# KiCad board GanJing 65 rev 2 hotswap-rounded.kicad_pcb (continued)
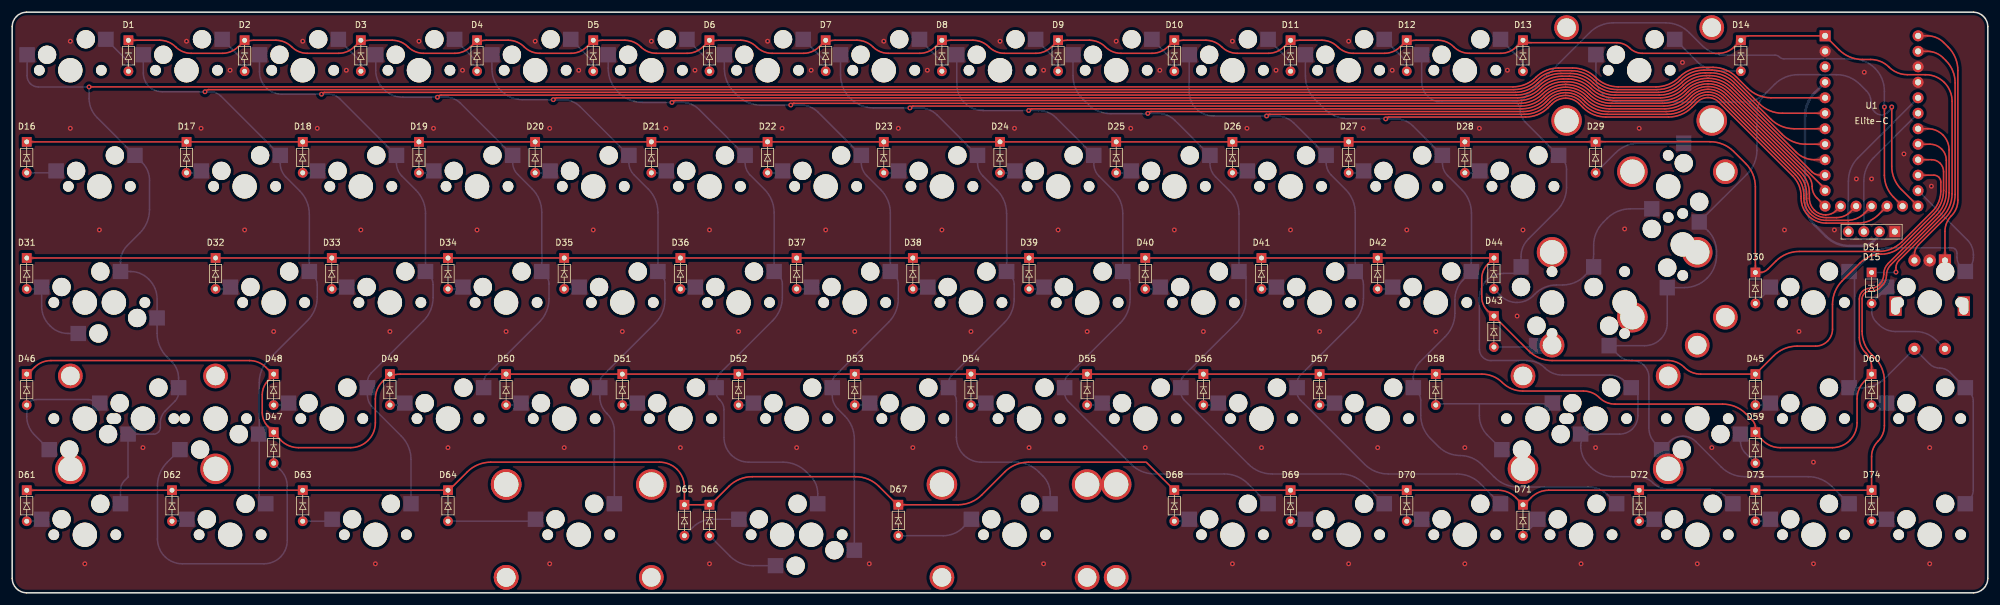
[diagram p0: board, top side]
## Copper pours and planes (outline as drawn; the poured copper is in the pictures) (continued)
Net-(D6-Pad2) on Bottom: 112.47,89.13 112.27,89.35 112.13,89.56 112.04,89.75 111.99,89.94 111.96,90.12 111.95,90.31 111.94,90.51 111.92,90.72 111.87,90.95 111.8,91.22 110.18,91.25 110.21,89.62 110.47,89.55 110.7,89.51 110.92,89.49 111.11,89.47 111.3,89.46 111.49,89.43 111.67,89.38 111.86,89.29 112.07,89.15 112.29,88.96
Net-(D7-Pad2) on Bottom: 131.52,89.13 131.32,89.35 131.18,89.56 131.09,89.75 131.04,89.94 131.01,90.12 131,90.31 130.99,90.51 130.97,90.72 130.92,90.95 130.85,91.22 129.23,91.25 129.26,89.62 129.52,89.55 129.75,89.51 129.97,89.49 130.16,89.47 130.35,89.46 130.54,89.43 130.72,89.38 130.91,89.29 131.12,89.15 131.34,88.96
Net-(D7-Pad2) on Bottom: 133.06,87.09 133.12,86.94 133.14,86.8 133.13,86.68 133.09,86.58 133.03,86.48 132.96,86.38 132.88,86.28 132.79,86.17 132.7,86.05 132.63,85.91 133.35,85.17 134.07,85.92 133.98,86.08 133.9,86.22 133.83,86.33 133.76,86.43 133.69,86.53 133.61,86.63 133.54,86.74 133.46,86.86 133.37,87.02 133.28,87.2
Net-(D8-Pad2) on Bottom: 150.57,89.13 150.37,89.35 150.23,89.56 150.14,89.75 150.09,89.94 150.06,90.12 150.05,90.31 150.04,90.51 150.02,90.72 149.97,90.95 149.9,91.22 148.28,91.25 148.31,89.62 148.57,89.55 148.8,89.51 149.02,89.49 149.21,89.47 149.4,89.46 149.59,89.43 149.77,89.38 149.96,89.29 150.17,89.15 150.39,88.96
Net-(D8-Pad2) on Bottom: 152.11,87.09 152.17,86.94 152.19,86.8 152.18,86.68 152.14,86.58 152.08,86.48 152.01,86.38 151.93,86.28 151.84,86.17 151.75,86.05 151.68,85.91 152.4,85.17 153.12,85.92 153.03,86.08 152.95,86.22 152.88,86.33 152.81,86.43 152.74,86.53 152.66,86.63 152.59,86.74 152.51,86.86 152.42,87.02 152.33,87.2
Net-(D9-Pad2) on Bottom: 169.62,89.13 169.42,89.35 169.28,89.56 169.19,89.75 169.14,89.94 169.11,90.12 169.1,90.31 169.09,90.51 169.07,90.72 169.02,90.95 168.95,91.22 167.33,91.25 167.36,89.62 167.62,89.55 167.85,89.51 168.07,89.49 168.26,89.47 168.45,89.46 168.64,89.43 168.82,89.38 169.01,89.29 169.22,89.15 169.44,88.96
Net-(D9-Pad2) on Bottom: 171.16,87.09 171.22,86.94 171.24,86.8 171.23,86.68 171.19,86.58 171.13,86.48 171.06,86.38 170.98,86.28 170.89,86.17 170.8,86.05 170.73,85.91 171.45,85.17 172.17,85.92 172.08,86.08 172,86.22 171.93,86.33 171.86,86.43 171.79,86.53 171.71,86.63 171.64,86.74 171.56,86.86 171.47,87.02 171.38,87.2
Net-(D10-Pad2) on Bottom: 190.21,87.09 190.27,86.94 190.29,86.8 190.28,86.68 190.24,86.58 190.18,86.48 190.11,86.38 190.03,86.28 189.94,86.17 189.85,86.05 189.78,85.91 190.5,85.17 191.22,85.92 191.13,86.08 191.05,86.22 190.98,86.33 190.91,86.43 190.84,86.53 190.76,86.63 190.69,86.74 190.61,86.86 190.52,87.02 190.43,87.2
Net-(D10-Pad2) on Bottom: 188.67,89.13 188.47,89.35 188.33,89.56 188.24,89.75 188.19,89.94 188.16,90.12 188.15,90.31 188.14,90.51 188.12,90.72 188.07,90.95 188,91.22 186.38,91.25 186.41,89.62 186.67,89.55 186.9,89.51 187.12,89.49 187.31,89.47 187.5,89.46 187.69,89.43 187.87,89.38 188.06,89.29 188.27,89.15 188.49,88.96
Net-(D11-Pad2) on Bottom: 209.26,87.09 209.32,86.94 209.34,86.8 209.33,86.68 209.29,86.58 209.23,86.48 209.16,86.38 209.08,86.28 208.99,86.17 208.9,86.05 208.83,85.91 209.55,85.17 210.27,85.92 210.18,86.08 210.1,86.22 210.03,86.33 209.96,86.43 209.89,86.53 209.81,86.63 209.74,86.74 209.66,86.86 209.57,87.02 209.48,87.2
Net-(D11-Pad2) on Bottom: 207.72,89.13 207.52,89.35 207.38,89.56 207.29,89.75 207.24,89.94 207.21,90.12 207.2,90.31 207.19,90.51 207.17,90.72 207.12,90.95 207.05,91.22 205.43,91.25 205.46,89.62 205.72,89.55 205.95,89.51 206.17,89.49 206.36,89.47 206.55,89.46 206.74,89.43 206.92,89.38 207.11,89.29 207.32,89.15 207.54,88.96
Net-(D12-Pad2) on Bottom: 228.31,87.09 228.37,86.94 228.39,86.8 228.38,86.68 228.34,86.58 228.28,86.48 228.21,86.38 228.13,86.28 228.04,86.17 227.95,86.05 227.88,85.91 228.6,85.17 229.32,85.92 229.23,86.08 229.15,86.22 229.08,86.33 229.01,86.43 228.94,86.53 228.86,86.63 228.79,86.74 228.71,86.86 228.62,87.02 228.53,87.2
Net-(D12-Pad2) on Bottom: 226.77,89.13 226.57,89.35 226.43,89.56 226.34,89.75 226.29,89.94 226.26,90.12 226.25,90.31 226.24,90.51 226.22,90.72 226.17,90.95 226.1,91.22 224.48,91.25 224.51,89.62 224.77,89.55 225,89.51 225.22,89.49 225.41,89.47 225.6,89.46 225.79,89.43 225.97,89.38 226.16,89.29 226.37,89.15 226.59,88.96
Net-(D13-Pad2) on Bottom: 247.36,87.09 247.42,86.94 247.44,86.8 247.43,86.68 247.39,86.58 247.33,86.48 247.26,86.38 247.18,86.28 247.09,86.17 247,86.05 246.93,85.91 247.65,85.17 248.37,85.92 248.28,86.08 248.2,86.22 248.13,86.33 248.06,86.43 247.99,86.53 247.91,86.63 247.84,86.74 247.76,86.86 247.67,87.02 247.58,87.2
Net-(D13-Pad2) on Bottom: 245.82,89.13 245.62,89.35 245.48,89.56 245.39,89.75 245.34,89.94 245.31,90.12 245.3,90.31 245.29,90.51 245.27,90.72 245.22,90.95 245.15,91.22 243.53,91.25 243.56,89.62 243.82,89.55 244.05,89.51 244.27,89.49 244.46,89.47 244.65,89.46 244.84,89.43 245.02,89.38 245.21,89.29 245.42,89.15 245.64,88.96
Net-(D14-Pad2) on Bottom: 281.78,85.44 281.97,85.43 282.12,85.4 282.25,85.36 282.36,85.31 282.45,85.24 282.55,85.17 282.64,85.09 282.75,85.01 282.87,84.93 283.02,84.85 283.77,85.57 283.02,86.29 282.87,86.21 282.75,86.12 282.64,86.04 282.55,85.96 282.45,85.89 282.36,85.82 282.25,85.77 282.12,85.73 281.97,85.7 281.78,85.69
Net-(D14-Pad2) on Bottom: 274.39,89.13 274.19,89.35 274.06,89.56 273.97,89.75 273.91,89.94 273.89,90.12 273.87,90.31 273.86,90.51 273.84,90.72 273.8,90.95 273.72,91.22 272.1,91.25 272.13,89.62 272.39,89.55 272.63,89.51 272.84,89.49 273.04,89.47 273.23,89.46 273.41,89.43 273.6,89.38 273.79,89.29 273.99,89.15 274.21,88.96
Net-(D16-Pad2) on Bottom: 4.73,68.77 5.06,68.76 5.32,68.71 5.54,68.64 5.73,68.56 5.9,68.46 6.07,68.35 6.25,68.25 6.45,68.15 6.68,68.06 6.96,67.99 7.81,69.37 6.39,70.17 6.21,69.99 6.05,69.82 5.92,69.66 5.8,69.51 5.69,69.38 5.56,69.26 5.41,69.16 5.23,69.09 5.01,69.04 4.73,69.02
Net-(D16-Pad2) on Bottom: 3.97,69.02 3.78,69.03 3.63,69.06 3.5,69.1 3.39,69.16 3.3,69.22 3.2,69.29 3.11,69.37 3,69.45 2.88,69.54 2.73,69.62 1.98,68.9 2.73,68.18 2.88,68.26 3,68.34 3.11,68.42 3.2,68.5 3.3,68.57 3.39,68.64 3.5,68.69 3.63,68.74 3.78,68.76 3.97,68.77
Net-(D17-Pad2) on Bottom: 30.16,69.02 29.98,69.03 29.82,69.06 29.7,69.1 29.59,69.16 29.49,69.22 29.4,69.29 29.3,69.37 29.2,69.45 29.07,69.54 28.92,69.62 28.18,68.9 28.92,68.18 29.07,68.26 29.2,68.34 29.3,68.42 29.4,68.5 29.49,68.57 29.59,68.64 29.7,68.69 29.82,68.74 29.98,68.76 30.16,68.77
Net-(D17-Pad2) on Bottom: 28.57,68.77 28.89,68.76 29.14,68.71 29.36,68.65 29.55,68.57 29.72,68.47 29.88,68.37 30.05,68.27 30.24,68.17 30.46,68.08 30.72,68 31.62,69.37 30.17,70.13 30,69.96 29.86,69.8 29.62,69.5 29.5,69.36 29.38,69.25 29.23,69.15 29.05,69.08 28.84,69.04 28.57,69.02
Net-(D18-Pad2) on Bottom: 49.21,69.02 49.03,69.03 48.87,69.06 48.75,69.1 48.64,69.16 48.54,69.22 48.45,69.29 48.35,69.37 48.25,69.45 48.12,69.54 47.97,69.62 47.23,68.9 47.97,68.18 48.12,68.26 48.25,68.34 48.35,68.42 48.45,68.5 48.54,68.57 48.64,68.64 48.75,68.69 48.87,68.74 49.03,68.76 49.21,68.77
Net-(D18-Pad2) on Bottom: 47.62,68.77 47.94,68.76 48.19,68.71 48.41,68.65 48.6,68.57 48.77,68.47 48.93,68.37 49.1,68.27 49.29,68.17 49.51,68.08 49.77,68 50.67,69.37 49.22,70.13 49.05,69.96 48.91,69.8 48.67,69.5 48.55,69.36 48.43,69.25 48.28,69.15 48.1,69.08 47.89,69.04 47.62,69.02
Net-(D19-Pad2) on Bottom: 68.26,69.02 68.08,69.03 67.92,69.06 67.8,69.1 67.69,69.16 67.59,69.22 67.5,69.29 67.4,69.37 67.3,69.45 67.17,69.54 67.02,69.62 66.28,68.9 67.02,68.18 67.17,68.26 67.3,68.34 67.4,68.42 67.5,68.5 67.59,68.57 67.69,68.64 67.8,68.69 67.92,68.74 68.08,68.76 68.26,68.77
Net-(D19-Pad2) on Bottom: 66.68,68.77 66.99,68.76 67.24,68.71 67.46,68.65 67.65,68.57 67.82,68.47 67.98,68.37 68.15,68.27 68.34,68.17 68.56,68.08 68.82,68 69.72,69.37 68.27,70.13 68.1,69.96 67.96,69.8 67.72,69.5 67.6,69.36 67.48,69.25 67.33,69.15 67.15,69.08 66.94,69.04 66.68,69.02
Net-(D20-Pad2) on Bottom: 87.31,69.02 87.13,69.03 86.97,69.06 86.85,69.1 86.74,69.16 86.64,69.22 86.55,69.29 86.45,69.37 86.35,69.45 86.22,69.54 86.07,69.62 85.33,68.9 86.07,68.18 86.22,68.26 86.35,68.34 86.45,68.42 86.55,68.5 86.64,68.57 86.74,68.64 86.85,68.69 86.97,68.74 87.13,68.76 87.31,68.77
Net-(D20-Pad2) on Bottom: 85.72,68.77 86.04,68.76 86.29,68.71 86.51,68.65 86.7,68.57 86.87,68.47 87.03,68.37 87.2,68.27 87.39,68.17 87.61,68.08 87.87,68 88.77,69.37 87.32,70.13 87.15,69.96 87.01,69.8 86.77,69.5 86.65,69.36 86.53,69.25 86.38,69.15 86.2,69.08 85.99,69.04 85.72,69.02
Net-(D21-Pad2) on Bottom: 106.37,69.02 106.18,69.03 106.02,69.06 105.9,69.1 105.79,69.16 105.69,69.22 105.6,69.29 105.5,69.37 105.4,69.45 105.27,69.54 105.12,69.62 104.38,68.9 105.12,68.18 105.27,68.26 105.4,68.34 105.5,68.42 105.6,68.5 105.69,68.57 105.79,68.64 105.9,68.69 106.02,68.74 106.18,68.76 106.37,68.77
Net-(D21-Pad2) on Bottom: 104.78,68.77 105.09,68.76 105.34,68.71 105.56,68.65 105.75,68.57 105.92,68.47 106.08,68.37 106.25,68.27 106.44,68.17 106.66,68.08 106.92,68 107.82,69.37 106.37,70.13 106.2,69.96 106.06,69.8 105.82,69.5 105.7,69.36 105.58,69.25 105.43,69.15 105.25,69.08 105.04,69.04 104.78,69.02
Net-(D22-Pad2) on Bottom: 125.41,69.02 125.23,69.03 125.07,69.06 124.95,69.1 124.84,69.16 124.74,69.22 124.65,69.29 124.55,69.37 124.45,69.45 124.32,69.54 124.17,69.62 123.43,68.9 124.17,68.18 124.32,68.26 124.45,68.34 124.55,68.42 124.65,68.5 124.74,68.57 124.84,68.64 124.95,68.69 125.07,68.74 125.23,68.76 125.41,68.77
Net-(D22-Pad2) on Bottom: 123.83,68.77 124.14,68.76 124.39,68.71 124.61,68.65 124.8,68.57 124.97,68.47 125.13,68.37 125.3,68.27 125.49,68.17 125.71,68.08 125.97,68 126.87,69.37 125.42,70.13 125.25,69.96 125.11,69.8 124.87,69.5 124.75,69.36 124.63,69.25 124.48,69.15 124.3,69.08 124.09,69.04 123.83,69.02
Net-(D23-Pad2) on Bottom: 144.47,69.02 144.28,69.03 144.12,69.06 144,69.1 143.89,69.16 143.79,69.22 143.7,69.29 143.6,69.37 143.5,69.45 143.37,69.54 143.22,69.62 142.47,68.9 143.22,68.18 143.37,68.26 143.5,68.34 143.6,68.42 143.7,68.5 143.79,68.57 143.89,68.64 144,68.69 144.12,68.74 144.28,68.76 144.47,68.77
Net-(D23-Pad2) on Bottom: 142.88,68.77 143.19,68.76 143.44,68.71 143.66,68.65 143.85,68.57 144.02,68.47 144.18,68.37 144.35,68.27 144.54,68.17 144.76,68.08 145.02,68 145.92,69.37 144.47,70.13 144.3,69.96 144.16,69.8 143.92,69.5 143.8,69.36 143.68,69.25 143.53,69.15 143.35,69.08 143.14,69.04 142.88,69.02
Net-(D24-Pad2) on Bottom: 161.93,68.77 162.24,68.76 162.49,68.71 162.71,68.65 162.9,68.57 163.07,68.47 163.23,68.37 163.4,68.27 163.59,68.17 163.81,68.08 164.07,68 164.97,69.37 163.52,70.13 163.35,69.96 163.21,69.8 162.97,69.5 162.85,69.36 162.73,69.25 162.58,69.15 162.4,69.08 162.19,69.04 161.93,69.02
Net-(D24-Pad2) on Bottom: 163.52,69.02 163.33,69.03 163.17,69.06 163.05,69.1 162.94,69.16 162.84,69.22 162.75,69.29 162.65,69.37 162.55,69.45 162.42,69.54 162.27,69.62 161.53,68.9 162.27,68.18 162.42,68.26 162.55,68.34 162.65,68.42 162.75,68.5 162.84,68.57 162.94,68.64 163.05,68.69 163.17,68.74 163.33,68.76 163.52,68.77
Net-(D25-Pad2) on Bottom: 182.56,69.02 182.38,69.03 182.22,69.06 182.1,69.1 181.99,69.16 181.89,69.22 181.8,69.29 181.7,69.37 181.6,69.45 181.47,69.54 181.32,69.62 180.58,68.9 181.32,68.18 181.47,68.26 181.6,68.34 181.7,68.42 181.8,68.5 181.89,68.57 181.99,68.64 182.1,68.69 182.22,68.74 182.38,68.76 182.56,68.77
Net-(D25-Pad2) on Bottom: 180.97,68.77 181.29,68.76 181.54,68.71 181.76,68.65 181.95,68.57 182.12,68.47 182.28,68.37 182.45,68.27 182.64,68.17 182.86,68.08 183.12,68 184.02,69.37 182.57,70.13 182.4,69.96 182.26,69.8 182.02,69.5 181.9,69.36 181.78,69.25 181.63,69.15 181.45,69.08 181.24,69.04 180.97,69.02
Net-(D26-Pad2) on Bottom: 201.62,69.02 201.43,69.03 201.27,69.06 201.15,69.1 201.04,69.16 200.94,69.22 200.85,69.29 200.75,69.37 200.65,69.45 200.52,69.54 200.37,69.62 199.62,68.9 200.37,68.18 200.52,68.26 200.65,68.34 200.75,68.42 200.85,68.5 200.94,68.57 201.04,68.64 201.15,68.69 201.27,68.74 201.43,68.76 201.62,68.77
Net-(D26-Pad2) on Bottom: 200.03,68.77 200.34,68.76 200.59,68.71 200.81,68.65 201,68.57 201.17,68.47 201.33,68.37 201.5,68.27 201.69,68.17 201.91,68.08 202.17,68 203.07,69.37 201.62,70.13 201.45,69.96 201.31,69.8 201.07,69.5 200.95,69.36 200.83,69.25 200.68,69.15 200.5,69.08 200.29,69.04 200.03,69.02
Net-(D27-Pad2) on Bottom: 219.08,68.77 219.39,68.76 219.64,68.71 219.86,68.65 220.05,68.57 220.22,68.47 220.38,68.37 220.55,68.27 220.74,68.17 220.96,68.08 221.22,68 222.12,69.37 220.67,70.13 220.5,69.96 220.36,69.8 220.12,69.5 220,69.36 219.88,69.25 219.73,69.15 219.55,69.08 219.34,69.04 219.08,69.02
Net-(D27-Pad2) on Bottom: 220.66,69.02 220.48,69.03 220.32,69.06 220.2,69.1 220.09,69.16 219.99,69.22 219.9,69.29 219.8,69.37 219.7,69.45 219.57,69.54 219.42,69.62 218.67,68.9 219.42,68.18 219.57,68.26 219.7,68.34 219.8,68.42 219.9,68.5 219.99,68.57 220.09,68.64 220.2,68.69 220.32,68.74 220.48,68.76 220.66,68.77
Net-(D28-Pad2) on Bottom: 238.13,68.77 238.44,68.76 238.69,68.71 238.91,68.65 239.1,68.57 239.27,68.47 239.43,68.37 239.6,68.27 239.79,68.17 240.01,68.08 240.27,68 241.17,69.37 239.72,70.13 239.55,69.96 239.41,69.8 239.17,69.5 239.05,69.36 238.93,69.25 238.78,69.15 238.6,69.08 238.39,69.04 238.13,69.02
Net-(D28-Pad2) on Bottom: 239.72,69.02 239.53,69.03 239.37,69.06 239.25,69.1 239.14,69.16 239.04,69.22 238.95,69.29 238.85,69.37 238.75,69.45 238.62,69.54 238.47,69.62 237.72,68.9 238.47,68.18 238.62,68.26 238.75,68.34 238.85,68.42 238.95,68.5 239.04,68.57 239.14,68.64 239.25,68.69 239.37,68.74 239.53,68.76 239.72,68.77
Net-(D29-Pad2) on Bottom: 260.59,70.11 260.45,69.98 260.33,69.89 260.21,69.83 260.09,69.8 259.98,69.77 259.86,69.76 259.73,69.75 259.6,69.73 259.46,69.7 259.29,69.65 259.27,68.61 260.31,68.63 260.36,68.8 260.39,68.94 260.41,69.08 260.42,69.2 260.43,69.32 260.46,69.43 260.49,69.55 260.55,69.67 260.64,69.79 260.77,69.93
Net-(D29-Pad2) on Bottom: 271.51,73.64 271.81,73.62 272.05,73.57 272.25,73.5 272.42,73.41 272.57,73.29 272.71,73.17 272.86,73.04 273.02,72.9 273.22,72.77 273.46,72.64 274.63,73.76 273.46,74.89 273.22,74.75 273.02,74.62 272.86,74.48 272.71,74.35 272.57,74.23 272.42,74.11 272.25,74.02 272.05,73.95 271.81,73.9 271.51,73.89
Net-(D30-Pad2) on Bottom: 286.64,48.18 286.88,48.39 287.09,48.54 287.29,48.64 287.48,48.71 287.67,48.75 287.86,48.78 288.06,48.81 288.28,48.86 288.51,48.94 288.77,49.06 288.56,50.67 286.96,50.4 286.93,50.14 286.91,49.91 286.92,49.7 286.93,49.5 286.93,49.31 286.91,49.14 286.87,48.96 286.79,48.77 286.66,48.57 286.47,48.36
Net-(D30-Pad2) on Bottom: 286.79,48.68 286.65,48.55 286.52,48.46 286.4,48.4 286.28,48.37 286.17,48.34 286.05,48.33 285.93,48.32 285.8,48.3 285.65,48.27 285.49,48.22 285.47,47.18 286.51,47.2 286.55,47.37 286.58,47.51 286.6,47.64 286.61,47.77 286.63,47.89 286.65,48 286.69,48.12 286.75,48.24 286.84,48.36 286.96,48.5
Net-(D31-Pad2) on Bottom: 3.97,49.97 3.78,49.98 3.63,50.01 3.5,50.05 3.39,50.11 3.3,50.17 3.2,50.24 3.11,50.32 3,50.4 2.88,50.49 2.73,50.57 1.98,49.85 2.73,49.13 2.88,49.21 3,49.29 3.11,49.37 3.2,49.45 3.3,49.52 3.39,49.59 3.5,49.64 3.63,49.69 3.78,49.71 3.97,49.72
Net-(D31-Pad2) on Bottom: 2.38,49.72 2.69,49.71 2.95,49.66 3.17,49.6 3.35,49.52 3.52,49.42 3.69,49.32 3.86,49.22 4.05,49.12 4.27,49.03 4.53,48.95 5.43,50.32 3.97,51.08 3.8,50.91 3.66,50.75 3.42,50.45 3.31,50.31 3.18,50.2 3.04,50.1 2.86,50.03 2.65,49.99 2.38,49.97
Net-(D31-Pad2) on Bottom: 7.88,42.62 8.23,42.5 8.51,42.39 8.76,42.28 8.97,42.17 9.16,42.06 9.34,41.95 9.53,41.83 9.74,41.71 9.99,41.57 10.28,41.42 11.45,42.54 10.28,43.67 10.01,43.52 9.77,43.37 9.57,43.21 9.37,43.07 9.19,42.94 9,42.84 8.79,42.78 8.55,42.75 8.28,42.77 7.95,42.85
Net-(D31-Pad2) on Bottom: 4.95,47.68 4.96,47.97 5.01,48.21 5.08,48.41 5.18,48.58 5.29,48.73 5.41,48.87 5.54,49.02 5.68,49.19 5.82,49.38 5.95,49.62 4.82,50.79 3.7,49.62 3.83,49.38 3.96,49.19 4.1,49.02 4.23,48.87 4.36,48.73 4.47,48.58 4.56,48.41 4.63,48.21 4.68,47.97 4.7,47.68
Net-(D32-Pad2) on Bottom: 34.93,49.97 34.74,49.98 34.59,50.01 34.46,50.05 34.35,50.11 34.25,50.17 34.16,50.24 34.07,50.32 33.96,50.4 33.84,50.49 33.69,50.57 32.94,49.85 33.69,49.13 33.84,49.21 33.96,49.29 34.07,49.37 34.16,49.45 34.25,49.52 34.35,49.59 34.46,49.64 34.59,49.69 34.74,49.71 34.93,49.72
Net-(D32-Pad2) on Bottom: 33.34,49.72 33.65,49.71 33.91,49.66 34.12,49.6 34.31,49.52 34.48,49.42 34.64,49.32 34.81,49.22 35,49.12 35.22,49.03 35.49,48.95 36.38,50.32 34.93,51.08 34.76,50.91 34.62,50.75 34.38,50.45 34.27,50.31 34.14,50.2 33.99,50.1 33.82,50.03 33.6,49.99 33.34,49.97
Net-(D33-Pad2) on Bottom: 53.98,49.97 53.79,49.98 53.64,50.01 53.51,50.05 53.4,50.11 53.3,50.17 53.21,50.24 53.12,50.32 53.01,50.4 52.89,50.49 52.74,50.57 51.99,49.85 52.74,49.13 52.89,49.21 53.01,49.29 53.12,49.37 53.21,49.45 53.3,49.52 53.4,49.59 53.51,49.64 53.64,49.69 53.79,49.71 53.98,49.72
Net-(D33-Pad2) on Bottom: 52.39,49.72 52.7,49.71 52.96,49.66 53.17,49.6 53.36,49.52 53.53,49.42 53.69,49.32 53.86,49.22 54.05,49.12 54.27,49.03 54.54,48.95 55.43,50.32 53.98,51.08 53.81,50.91 53.67,50.75 53.43,50.45 53.32,50.31 53.19,50.2 53.04,50.1 52.87,50.03 52.65,49.99 52.39,49.97
Net-(D34-Pad2) on Bottom: 71.44,49.72 71.75,49.71 72.01,49.66 72.22,49.6 72.41,49.52 72.58,49.42 72.74,49.32 72.91,49.22 73.1,49.12 73.32,49.03 73.59,48.95 74.48,50.32 73.03,51.08 72.86,50.91 72.72,50.75 72.48,50.45 72.37,50.31 72.24,50.2 72.09,50.1 71.92,50.03 71.7,49.99 71.44,49.97
Net-(D34-Pad2) on Bottom: 73.03,49.97 72.84,49.98 72.69,50.01 72.56,50.05 72.45,50.11 72.35,50.17 72.26,50.24 72.17,50.32 72.06,50.4 71.94,50.49 71.79,50.57 71.04,49.85 71.79,49.13 71.94,49.21 72.06,49.29 72.17,49.37 72.26,49.45 72.35,49.52 72.45,49.59 72.56,49.64 72.69,49.69 72.84,49.71 73.03,49.72
Net-(D35-Pad2) on Bottom: 90.49,49.72 90.8,49.71 91.06,49.66 91.27,49.6 91.46,49.52 91.63,49.42 91.79,49.32 91.96,49.22 92.15,49.12 92.37,49.03 92.64,48.95 93.53,50.32 92.08,51.08 91.91,50.91 91.77,50.75 91.53,50.45 91.42,50.31 91.29,50.2 91.14,50.1 90.97,50.03 90.75,49.99 90.49,49.97
Net-(D35-Pad2) on Bottom: 92.08,49.97 91.89,49.98 91.74,50.01 91.61,50.05 91.5,50.11 91.4,50.17 91.31,50.24 91.22,50.32 91.11,50.4 90.99,50.49 90.84,50.57 90.09,49.85 90.84,49.13 90.99,49.21 91.11,49.29 91.22,49.37 91.31,49.45 91.4,49.52 91.5,49.59 91.61,49.64 91.74,49.69 91.89,49.71 92.08,49.72
Net-(D36-Pad2) on Bottom: 111.13,49.97 110.94,49.98 110.79,50.01 110.66,50.05 110.55,50.11 110.45,50.17 110.36,50.24 110.27,50.32 110.16,50.4 110.04,50.49 109.89,50.57 109.14,49.85 109.89,49.13 110.04,49.21 110.16,49.29 110.27,49.37 110.36,49.45 110.45,49.52 110.55,49.59 110.66,49.64 110.79,49.69 110.94,49.71 111.13,49.72
Net-(D36-Pad2) on Bottom: 109.54,49.72 109.85,49.71 110.11,49.66 110.32,49.6 110.51,49.52 110.68,49.42 110.84,49.32 111.01,49.22 111.2,49.12 111.42,49.03 111.69,48.95 112.58,50.32 111.13,51.08 110.96,50.91 110.82,50.75 110.58,50.45 110.47,50.31 110.34,50.2 110.19,50.1 110.02,50.03 109.8,49.99 109.54,49.97
Net-(D37-Pad2) on Bottom: 130.18,49.97 129.99,49.98 129.84,50.01 129.71,50.05 129.6,50.11 129.5,50.17 129.41,50.24 129.32,50.32 129.21,50.4 129.09,50.49 128.94,50.57 128.19,49.85 128.94,49.13 129.09,49.21 129.21,49.29 129.32,49.37 129.41,49.45 129.5,49.52 129.6,49.59 129.71,49.64 129.84,49.69 129.99,49.71 130.18,49.72
Net-(D37-Pad2) on Bottom: 128.59,49.72 128.9,49.71 129.16,49.66 129.37,49.6 129.56,49.52 129.73,49.42 129.89,49.32 130.06,49.22 130.25,49.12 130.47,49.03 130.74,48.95 131.63,50.32 130.18,51.08 130.01,50.91 129.87,50.75 129.63,50.45 129.52,50.31 129.39,50.2 129.24,50.1 129.07,50.03 128.85,49.99 128.59,49.97
Net-(D38-Pad2) on Bottom: 147.64,49.72 147.95,49.71 148.21,49.66 148.42,49.6 148.61,49.52 148.78,49.42 148.94,49.32 149.11,49.22 149.3,49.12 149.52,49.03 149.79,48.95 150.68,50.32 149.23,51.08 149.06,50.91 148.92,50.75 148.68,50.45 148.57,50.31 148.44,50.2 148.29,50.1 148.12,50.03 147.9,49.99 147.64,49.97
Net-(D38-Pad2) on Bottom: 149.23,49.97 149.04,49.98 148.89,50.01 148.76,50.05 148.65,50.11 148.55,50.17 148.46,50.24 148.37,50.32 148.26,50.4 148.14,50.49 147.99,50.57 147.24,49.85 147.99,49.13 148.14,49.21 148.26,49.29 148.37,49.37 148.46,49.45 148.55,49.52 148.65,49.59 148.76,49.64 148.89,49.69 149.04,49.71 149.23,49.72
Net-(D39-Pad2) on Bottom: 168.28,49.97 168.09,49.98 167.94,50.01 167.81,50.05 167.7,50.11 167.6,50.17 167.51,50.24 167.42,50.32 167.31,50.4 167.19,50.49 167.04,50.57 166.29,49.85 167.04,49.13 167.19,49.21 167.31,49.29 167.42,49.37 167.51,49.45 167.6,49.52 167.7,49.59 167.81,49.64 167.94,49.69 168.09,49.71 168.28,49.72
Net-(D39-Pad2) on Bottom: 166.69,49.72 167,49.71 167.26,49.66 167.47,49.6 167.66,49.52 167.83,49.42 167.99,49.32 168.16,49.22 168.35,49.12 168.57,49.03 168.84,48.95 169.73,50.32 168.28,51.08 168.11,50.91 167.97,50.75 167.73,50.45 167.62,50.31 167.49,50.2 167.34,50.1 167.17,50.03 166.95,49.99 166.69,49.97
Net-(D40-Pad2) on Bottom: 187.33,49.97 187.14,49.98 186.99,50.01 186.86,50.05 186.75,50.11 186.65,50.17 186.56,50.24 186.47,50.32 186.36,50.4 186.24,50.49 186.09,50.57 185.34,49.85 186.09,49.13 186.24,49.21 186.36,49.29 186.47,49.37 186.56,49.45 186.65,49.52 186.75,49.59 186.86,49.64 186.99,49.69 187.14,49.71 187.33,49.72
Net-(D40-Pad2) on Bottom: 185.74,49.72 186.05,49.71 186.31,49.66 186.52,49.6 186.71,49.52 186.88,49.42 187.04,49.32 187.21,49.22 187.4,49.12 187.62,49.03 187.89,48.95 188.78,50.32 187.33,51.08 187.16,50.91 187.02,50.75 186.78,50.45 186.67,50.31 186.54,50.2 186.39,50.1 186.22,50.03 186,49.99 185.74,49.97
Net-(D41-Pad2) on Bottom: 204.79,49.72 205.1,49.71 205.36,49.66 205.57,49.6 205.76,49.52 205.93,49.42 206.09,49.32 206.26,49.22 206.45,49.12 206.67,49.03 206.94,48.95 207.83,50.32 206.38,51.08 206.21,50.91 206.07,50.75 205.83,50.45 205.72,50.31 205.59,50.2 205.44,50.1 205.27,50.03 205.05,49.99 204.79,49.97
Net-(D41-Pad2) on Bottom: 206.38,49.97 206.19,49.98 206.04,50.01 205.91,50.05 205.8,50.11 205.7,50.17 205.61,50.24 205.52,50.32 205.41,50.4 205.29,50.49 205.14,50.57 204.39,49.85 205.14,49.13 205.29,49.21 205.41,49.29 205.52,49.37 205.61,49.45 205.7,49.52 205.8,49.59 205.91,49.64 206.04,49.69 206.19,49.71 206.38,49.72
Net-(D42-Pad2) on Bottom: 225.43,49.97 225.24,49.98 225.09,50.01 224.96,50.05 224.85,50.11 224.75,50.17 224.66,50.24 224.57,50.32 224.46,50.4 224.34,50.49 224.19,50.57 223.44,49.85 224.19,49.13 224.34,49.21 224.46,49.29 224.57,49.37 224.66,49.45 224.75,49.52 224.85,49.59 224.96,49.64 225.09,49.69 225.24,49.71 225.43,49.72
Net-(D42-Pad2) on Bottom: 223.84,49.72 224.15,49.71 224.41,49.66 224.62,49.6 224.81,49.52 224.98,49.42 225.14,49.32 225.31,49.22 225.5,49.12 225.72,49.03 225.99,48.95 226.88,50.32 225.43,51.08 225.26,50.91 225.12,50.75 224.88,50.45 224.77,50.31 224.64,50.2 224.49,50.1 224.32,50.03 224.1,49.99 223.84,49.97
Net-(D43-Pad2) on Bottom: 247.39,40.2 247.7,40.18 247.96,40.14 248.17,40.06 248.35,39.98 248.52,39.87 248.68,39.76 248.85,39.65 249.04,39.53 249.26,39.43 249.53,39.34 250.49,40.65 249.14,41.55 248.94,41.39 248.77,41.23 248.63,41.08 248.5,40.93 248.37,40.8 248.24,40.68 248.08,40.58 247.89,40.51 247.67,40.46 247.39,40.45
Net-(D43-Pad2) on Bottom: 244.48,40.45 244.29,40.46 244.14,40.48 244.01,40.53 243.9,40.58 243.8,40.65 243.71,40.72 243.62,40.8 243.51,40.88 243.39,40.96 243.24,41.04 242.49,40.32 243.24,39.6 243.39,39.68 243.51,39.77 243.62,39.85 243.71,39.93 243.8,40 243.9,40.06 244.01,40.12 244.14,40.16 244.29,40.19 244.48,40.2
Net-(D44-Pad2) on Bottom: 244.7,48.33 244.47,48.49 244.28,48.65 244.14,48.8 244.04,48.95 243.96,49.11 243.89,49.27 243.84,49.45 243.78,49.65 243.72,49.87 243.64,50.11 242.6,50.13 242.62,49.09 242.87,49 243.09,48.93 243.27,48.85 243.44,48.78 243.59,48.71 243.75,48.62 243.91,48.53 244.1,48.41 244.31,48.28 244.56,48.12
Net-(D44-Pad2) on Bottom: 266.27,62.87 266.57,62.85 266.81,62.8 267.01,62.73 267.18,62.64 267.33,62.53 267.47,62.4 267.62,62.27 267.79,62.13 267.98,62 268.22,61.87 269.39,62.99 268.22,64.12 267.98,63.99 267.79,63.85 267.62,63.71 267.47,63.58 267.33,63.46 267.18,63.35 267.01,63.25 266.81,63.18 266.57,63.13 266.27,63.12
Net-(D45-Pad2) on Bottom: 285.75,30.67 286.06,30.66 286.32,30.61 286.54,30.55 286.72,30.47 286.89,30.37 287.05,30.27 287.23,30.17 287.41,30.07 287.64,29.98 287.9,29.9 288.79,31.27 287.34,32.03 287.17,31.86 287.03,31.7 286.79,31.4 286.68,31.26 286.55,31.15 286.4,31.05 286.23,30.98 286.01,30.94 285.75,30.92
Net-(D45-Pad2) on Bottom: 287.34,30.92 287.15,30.93 287,30.96 286.87,31 286.76,31.06 286.67,31.12 286.57,31.19 286.48,31.27 286.37,31.35 286.25,31.44 286.1,31.52 285.35,30.8 286.1,30.08 286.25,30.16 286.37,30.24 286.48,30.32 286.57,30.4 286.67,30.47 286.76,30.54 286.87,30.59 287,30.64 287.15,30.66 287.34,30.67
Net-(D46-Pad2) on Bottom: 2.51,29.19 2.52,29.38 2.54,29.53 2.58,29.66 2.64,29.77 2.7,29.87 2.78,29.97 2.85,30.06 2.94,30.17 3.02,30.3 3.1,30.45 2.38,31.2 1.66,30.45 1.74,30.3 1.83,30.17 1.91,30.06 1.99,29.97 2.06,29.87 2.12,29.77 2.18,29.66 2.22,29.53 2.25,29.38 2.26,29.19
Net-(D46-Pad2) on Bottom: 11.97,31.57 12.25,31.55 12.47,31.49 12.64,31.38 12.77,31.25 12.88,31.1 12.98,30.92 13.08,30.73 13.2,30.54 13.35,30.35 13.54,30.16 14.95,30.96 14.1,32.34 13.84,32.28 13.62,32.21 13.42,32.14 13.09,32.01 12.92,31.95 12.73,31.9 12.52,31.86 12.27,31.83 11.97,31.82
Net-(D46-Pad2) on Bottom: 4.22,25.17 4.41,24.95 4.55,24.74 4.64,24.55 4.69,24.36 4.72,24.18 4.73,23.99 4.74,23.79 4.77,23.58 4.81,23.35 4.88,23.08 6.51,23.05 6.47,24.68 6.21,24.75 5.98,24.79 5.77,24.81 5.57,24.83 5.38,24.84 5.19,24.87 5.01,24.92 4.82,25.01 4.61,25.15 4.39,25.34
Net-(D46-Pad2) on Bottom: 3.66,31.8 2.26,31.59 2.08,30.53 3.12,30.49 3.17,30.64 3.2,30.79 3.22,30.92 3.24,31.06 3.26,31.18 3.3,31.29 3.35,31.38 3.43,31.46 3.55,31.52 3.7,31.56
Net-(D47-Pad2) on Bottom: 44.58,19.61 44.42,19.86 44.29,20.07 44.17,20.25 44.08,20.42 44,20.57 43.92,20.73 43.85,20.89 43.78,21.08 43.71,21.29 43.62,21.54 42.58,21.56 42.6,20.52 42.84,20.44 43.06,20.38 43.25,20.32 43.43,20.27 43.6,20.21 43.75,20.13 43.9,20.02 44.05,19.88 44.21,19.7 44.37,19.47
Net-(D47-Pad2) on Bottom: 25.82,21.65 26.04,21.84 26.25,21.98 26.44,22.07 26.63,22.12 26.81,22.15 27,22.16 27.2,22.18 27.41,22.2 27.65,22.24 27.91,22.31 27.94,23.94 26.31,23.91 26.24,23.64 26.2,23.41 26.18,23.2 26.16,23 26.15,22.81 26.12,22.63 26.07,22.44 25.98,22.25 25.84,22.04 25.65,21.82
Net-(D48-Pad2) on Bottom: 44.45,30.92 44.27,30.93 44.11,30.96 43.98,31 43.88,31.06 43.78,31.12 43.69,31.19 43.59,31.27 43.48,31.35 43.36,31.44 43.21,31.52 42.46,30.8 43.21,30.08 43.36,30.16 43.48,30.24 43.59,30.32 43.69,30.4 43.78,30.47 43.88,30.54 43.98,30.59 44.11,30.64 44.27,30.66 44.45,30.67
Net-(D48-Pad2) on Bottom: 42.86,30.67 43.17,30.66 43.43,30.61 43.65,30.55 43.83,30.47 44,30.37 44.17,30.27 44.34,30.17 44.53,30.07 44.75,29.98 45.01,29.9 45.91,31.27 44.46,32.03 44.29,31.86 44.14,31.7 43.91,31.4 43.79,31.26 43.66,31.15 43.52,31.05 43.34,30.98 43.13,30.94 42.86,30.92
Net-(D49-Pad2) on Bottom: 61.91,30.67 62.22,30.66 62.48,30.61 62.7,30.55 62.88,30.47 63.05,30.37 63.22,30.27 63.39,30.17 63.58,30.07 63.8,29.98 64.06,29.9 64.96,31.27 63.51,32.03 63.34,31.86 63.19,31.7 62.96,31.4 62.84,31.26 62.71,31.15 62.57,31.05 62.39,30.98 62.18,30.94 61.91,30.92
Net-(D49-Pad2) on Bottom: 63.5,30.92 63.32,30.93 63.16,30.96 63.03,31 62.93,31.06 62.83,31.12 62.74,31.19 62.64,31.27 62.53,31.35 62.41,31.44 62.26,31.52 61.51,30.8 62.26,30.08 62.41,30.16 62.53,30.24 62.64,30.32 62.74,30.4 62.83,30.47 62.93,30.54 63.03,30.59 63.16,30.64 63.32,30.66 63.5,30.67
Net-(D50-Pad2) on Bottom: 82.55,30.92 82.37,30.93 82.21,30.96 82.08,31 81.98,31.06 81.88,31.12 81.79,31.19 81.69,31.27 81.58,31.35 81.46,31.44 81.31,31.52 80.56,30.8 81.31,30.08 81.46,30.16 81.58,30.24 81.69,30.32 81.79,30.4 81.88,30.47 81.98,30.54 82.08,30.59 82.21,30.64 82.37,30.66 82.55,30.67
Net-(D50-Pad2) on Bottom: 80.96,30.67 81.27,30.66 81.53,30.61 81.75,30.55 81.93,30.47 82.1,30.37 82.27,30.27 82.44,30.17 82.63,30.07 82.85,29.98 83.11,29.9 84.01,31.27 82.56,32.03 82.39,31.86 82.24,31.7 82.01,31.4 81.89,31.26 81.76,31.15 81.62,31.05 81.44,30.98 81.23,30.94 80.96,30.92
Net-(D51-Pad2) on Bottom: 101.6,30.92 101.42,30.93 101.26,30.96 101.13,31 101.03,31.06 100.93,31.12 100.84,31.19 100.74,31.27 100.63,31.35 100.51,31.44 100.36,31.52 99.61,30.8 100.36,30.08 100.51,30.16 100.63,30.24 100.74,30.32 100.84,30.4 100.93,30.47 101.03,30.54 101.13,30.59 101.26,30.64 101.42,30.66 101.6,30.67
Net-(D51-Pad2) on Bottom: 100.01,30.67 100.32,30.66 100.58,30.61 100.8,30.55 100.98,30.47 101.15,30.37 101.32,30.27 101.49,30.17 101.68,30.07 101.9,29.98 102.16,29.9 103.06,31.27 101.61,32.03 101.44,31.86 101.29,31.7 101.06,31.4 100.94,31.26 100.81,31.15 100.67,31.05 100.49,30.98 100.28,30.94 100.01,30.92
Net-(D52-Pad2) on Bottom: 120.65,30.92 120.47,30.93 120.31,30.96 120.18,31 120.08,31.06 119.98,31.12 119.89,31.19 119.79,31.27 119.68,31.35 119.56,31.44 119.41,31.52 118.66,30.8 119.41,30.08 119.56,30.16 119.68,30.24 119.79,30.32 119.89,30.4 119.98,30.47 120.08,30.54 120.18,30.59 120.31,30.64 120.47,30.66 120.65,30.67
Net-(D52-Pad2) on Bottom: 119.06,30.67 119.37,30.66 119.63,30.61 119.85,30.55 120.03,30.47 120.2,30.37 120.37,30.27 120.54,30.17 120.73,30.07 120.95,29.98 121.21,29.9 122.11,31.27 120.66,32.03 120.49,31.86 120.34,31.7 120.11,31.4 119.99,31.26 119.86,31.15 119.72,31.05 119.54,30.98 119.33,30.94 119.06,30.92
Net-(D53-Pad2) on Bottom: 138.11,30.67 138.42,30.66 138.68,30.61 138.9,30.55 139.08,30.47 139.25,30.37 139.42,30.27 139.59,30.17 139.78,30.07 140,29.98 140.26,29.9 141.16,31.27 139.71,32.03 139.54,31.86 139.39,31.7 139.16,31.4 139.04,31.26 138.91,31.15 138.77,31.05 138.59,30.98 138.38,30.94 138.11,30.92
Net-(D53-Pad2) on Bottom: 139.7,30.92 139.52,30.93 139.36,30.96 139.23,31 139.13,31.06 139.03,31.12 138.94,31.19 138.84,31.27 138.73,31.35 138.61,31.44 138.46,31.52 137.71,30.8 138.46,30.08 138.61,30.16 138.73,30.24 138.84,30.32 138.94,30.4 139.03,30.47 139.13,30.54 139.23,30.59 139.36,30.64 139.52,30.66 139.7,30.67
Net-(D54-Pad2) on Bottom: 158.75,30.92 158.57,30.93 158.41,30.96 158.28,31 158.18,31.06 158.08,31.12 157.99,31.19 157.89,31.27 157.78,31.35 157.66,31.44 157.51,31.52 156.76,30.8 157.51,30.08 157.66,30.16 157.78,30.24 157.89,30.32 157.99,30.4 158.08,30.47 158.18,30.54 158.28,30.59 158.41,30.64 158.57,30.66 158.75,30.67
Net-(D54-Pad2) on Bottom: 157.16,30.67 157.47,30.66 157.73,30.61 157.95,30.55 158.13,30.47 158.3,30.37 158.47,30.27 158.64,30.17 158.83,30.07 159.05,29.98 159.31,29.9 160.21,31.27 158.76,32.03 158.59,31.86 158.44,31.7 158.21,31.4 158.09,31.26 157.96,31.15 157.82,31.05 157.64,30.98 157.43,30.94 157.16,30.92
Net-(D55-Pad2) on Bottom: 177.8,30.92 177.62,30.93 177.46,30.96 177.33,31 177.23,31.06 177.13,31.12 177.04,31.19 176.94,31.27 176.83,31.35 176.71,31.44 176.56,31.52 175.81,30.8 176.56,30.08 176.71,30.16 176.83,30.24 176.94,30.32 177.04,30.4 177.13,30.47 177.23,30.54 177.33,30.59 177.46,30.64 177.62,30.66 177.8,30.67
Net-(D55-Pad2) on Bottom: 176.21,30.67 176.52,30.66 176.78,30.61 177,30.55 177.18,30.47 177.35,30.37 177.52,30.27 177.69,30.17 177.88,30.07 178.1,29.98 178.36,29.9 179.26,31.27 177.81,32.03 177.64,31.86 177.49,31.7 177.26,31.4 177.14,31.26 177.01,31.15 176.87,31.05 176.69,30.98 176.48,30.94 176.21,30.92
Net-(D56-Pad2) on Bottom: 196.85,30.92 196.67,30.93 196.51,30.96 196.38,31 196.28,31.06 196.18,31.12 196.09,31.19 195.99,31.27 195.88,31.35 195.76,31.44 195.61,31.52 194.86,30.8 195.61,30.08 195.76,30.16 195.88,30.24 195.99,30.32 196.09,30.4 196.18,30.47 196.28,30.54 196.38,30.59 196.51,30.64 196.67,30.66 196.85,30.67
Net-(D56-Pad2) on Bottom: 195.26,30.67 195.57,30.66 195.83,30.61 196.05,30.55 196.23,30.47 196.4,30.37 196.57,30.27 196.74,30.17 196.93,30.07 197.15,29.98 197.41,29.9 198.31,31.27 196.86,32.03 196.69,31.86 196.54,31.7 196.31,31.4 196.19,31.26 196.06,31.15 195.92,31.05 195.74,30.98 195.53,30.94 195.26,30.92
Net-(D57-Pad2) on Bottom: 215.9,30.92 215.72,30.93 215.56,30.96 215.43,31 215.33,31.06 215.23,31.12 215.14,31.19 215.04,31.27 214.93,31.35 214.81,31.44 214.66,31.52 213.91,30.8 214.66,30.08 214.81,30.16 214.93,30.24 215.04,30.32 215.14,30.4 215.23,30.47 215.33,30.54 215.43,30.59 215.56,30.64 215.72,30.66 215.9,30.67
Net-(D57-Pad2) on Bottom: 214.31,30.67 214.62,30.66 214.88,30.61 215.1,30.55 215.28,30.47 215.45,30.37 215.62,30.27 215.79,30.17 215.98,30.07 216.2,29.98 216.46,29.9 217.36,31.27 215.91,32.03 215.74,31.86 215.59,31.7 215.36,31.4 215.24,31.26 215.11,31.15 214.97,31.05 214.79,30.98 214.58,30.94 214.31,30.92
Net-(D58-Pad2) on Bottom: 234.94,31.14 234.73,31.15 234.56,31.17 234.42,31.21 234.3,31.26 234.18,31.32 234.07,31.38 233.96,31.44 233.83,31.49 233.68,31.54 233.5,31.58 232.98,30.69 233.89,30.2 234.01,30.31 234.1,30.41 234.26,30.6 234.34,30.68 234.42,30.75 234.52,30.81 234.63,30.85 234.77,30.88 234.94,30.89
Net-(D58-Pad2) on Bottom: 249.98,30.89 250.29,30.87 250.53,30.83 250.74,30.76 250.92,30.66 251.07,30.56 251.22,30.44 251.38,30.31 251.56,30.19 251.77,30.06 252.02,29.95 253.09,31.17 251.84,32.19 251.62,32.05 251.43,31.9 251.28,31.75 251.14,31.61 251,31.49 250.86,31.37 250.7,31.28 250.51,31.2 250.27,31.16 249.98,31.14
Net-(D58-Pad2) on Bottom: 242.34,25.17 242.54,24.95 242.68,24.74 242.77,24.55 242.82,24.36 242.84,24.18 242.86,23.99 242.87,23.79 242.89,23.58 242.93,23.35 243.01,23.08 244.63,23.05 244.6,24.68 244.34,24.75 244.1,24.79 243.89,24.81 243.69,24.83 243.5,24.84 243.32,24.87 243.13,24.92 242.94,25.01 242.74,25.15 242.52,25.34
Net-(D59-Pad2) on Bottom: 283.74,23.63 283.64,23.88 283.6,24.09 283.62,24.28 283.68,24.44 283.78,24.6 283.9,24.76 284.04,24.92 284.18,25.09 284.32,25.28 284.44,25.51 283.3,26.66 282.2,25.46 282.34,25.21 282.47,25 282.6,24.83 282.72,24.67 282.84,24.53 282.96,24.38 283.09,24.22 283.22,24.03 283.36,23.8 283.52,23.52
Net-(D59-Pad2) on Bottom: 284.54,22.31 284.66,22.17 284.75,22.04 284.81,21.92 284.85,21.81 284.87,21.69 284.89,21.57 284.9,21.45 284.92,21.32 284.95,21.17 284.99,21.01 286.03,20.99 286.01,22.03 285.85,22.08 285.7,22.11 285.57,22.12 285.45,22.13 285.33,22.15 285.22,22.17 285.1,22.21 284.98,22.27 284.85,22.36 284.71,22.49
Net-(D60-Pad2) on Bottom: 306.39,30.76 306.21,30.77 306.07,30.8 305.95,30.84 305.85,30.9 305.76,30.97 305.68,31.05 305.51,31.23 305.41,31.33 305.28,31.43 304.41,30.88 305,30.02 305.17,30.08 305.32,30.14 305.44,30.2 305.65,30.33 305.76,30.39 305.88,30.44 306.02,30.48 306.19,30.5 306.39,30.51
Net-(D60-Pad2) on Bottom: 304.83,30.51 305.16,30.5 305.44,30.45 305.67,30.39 305.87,30.3 306.05,30.21 306.23,30.12 306.42,30.04 306.63,29.96 306.87,29.9 307.16,29.87 307.82,31.35 306.31,31.95 306.16,31.76 306.03,31.58 305.92,31.42 305.82,31.26 305.72,31.12 305.6,31 305.46,30.9 305.3,30.83 305.09,30.78 304.83,30.76
Net-(D61-Pad2) on Bottom: 3.97,11.87 3.78,11.88 3.63,11.91 3.5,11.95 3.39,12.01 3.3,12.07 3.2,12.14 3.11,12.22 3,12.3 2.88,12.39 2.73,12.47 1.98,11.75 2.73,11.03 2.88,11.11 3,11.19 3.11,11.27 3.2,11.35 3.3,11.42 3.39,11.49 3.5,11.54 3.63,11.59 3.78,11.61 3.97,11.62
Net-(D61-Pad2) on Bottom: 2.38,11.62 2.69,11.61 2.95,11.56 3.17,11.5 3.35,11.42 3.52,11.32 3.69,11.22 3.86,11.12 4.05,11.02 4.27,10.93 4.53,10.85 5.43,12.22 3.97,12.98 3.8,12.81 3.66,12.65 3.42,12.35 3.31,12.21 3.18,12.1 3.04,12 2.86,11.93 2.65,11.89 2.38,11.87
Net-(D62-Pad2) on Bottom: 26.19,11.62 26.51,11.61 26.76,11.56 26.98,11.5 27.17,11.42 27.33,11.32 27.5,11.22 27.67,11.12 27.86,11.02 28.08,10.93 28.34,10.85 29.24,12.22 27.79,12.98 27.62,12.81 27.48,12.65 27.24,12.35 27.12,12.21 27,12.1 26.85,12 26.67,11.93 26.46,11.89 26.19,11.87
Net-(D62-Pad2) on Bottom: 27.78,11.87 27.6,11.88 27.44,11.91 27.32,11.95 27.21,12.01 27.11,12.07 27.02,12.14 26.92,12.22 26.82,12.3 26.69,12.39 26.54,12.47 25.79,11.75 26.54,11.03 26.69,11.11 26.82,11.19 26.92,11.27 27.02,11.35 27.11,11.42 27.21,11.49 27.32,11.54 27.44,11.59 27.6,11.61 27.78,11.62
Net-(D63-Pad2) on Bottom: 49.98,11.62 50.3,11.61 50.56,11.56 50.78,11.49 50.97,11.41 51.15,11.31 51.32,11.2 51.49,11.1 51.69,11 51.92,10.91 52.2,10.84 53.05,12.22 51.64,13.02 51.45,12.84 51.3,12.67 51.17,12.51 51.05,12.36 50.93,12.23 50.8,12.11 50.65,12.01 50.47,11.94 50.25,11.89 49.98,11.87
Net-(D63-Pad2) on Bottom: 49.21,11.87 49.03,11.88 48.87,11.91 48.75,11.95 48.64,12.01 48.54,12.07 48.45,12.14 48.35,12.22 48.25,12.3 48.12,12.39 47.97,12.47 47.23,11.75 47.97,11.03 48.12,11.11 48.25,11.19 48.35,11.27 48.45,11.35 48.54,11.42 48.64,11.49 48.75,11.54 48.87,11.59 49.03,11.61 49.21,11.62
Net-(D64-Pad2) on Bottom: 83.32,11.62 83.64,11.61 83.9,11.56 84.12,11.49 84.31,11.41 84.48,11.31 84.65,11.2 84.83,11.1 85.03,11 85.26,10.91 85.54,10.84 86.39,12.22 84.97,13.02 84.79,12.84 84.64,12.67 84.5,12.51 84.39,12.36 84.27,12.23 84.14,12.11 83.99,12.01 83.81,11.94 83.59,11.89 83.32,11.87
Net-(D64-Pad2) on Bottom: 73.03,11.87 72.84,11.88 72.69,11.91 72.56,11.95 72.45,12.01 72.35,12.07 72.26,12.14 72.17,12.22 72.06,12.3 71.94,12.39 71.79,12.47 71.04,11.75 71.79,11.03 71.94,11.11 72.06,11.19 72.17,11.27 72.26,11.35 72.35,11.42 72.45,11.49 72.56,11.54 72.69,11.59 72.84,11.61 73.03,11.62
Net-(D65-Pad2) on Bottom: 116.63,11.94 116.93,11.92 117.17,11.88 117.37,11.8 117.54,11.71 117.69,11.6 117.83,11.48 117.98,11.34 118.14,11.21 118.34,11.07 118.58,10.94 119.75,12.06 118.58,13.19 118.34,13.06 118.14,12.92 117.98,12.79 117.83,12.65 117.69,12.53 117.54,12.42 117.37,12.33 117.17,12.25 116.93,12.21 116.63,12.19
Net-(D65-Pad2) on Bottom: 111.23,10.58 111.09,10.45 110.96,10.36 110.84,10.3 110.73,10.27 110.61,10.24 110.5,10.23 110.37,10.22 110.24,10.2 110.09,10.17 109.93,10.12 109.91,9.08 110.95,9.1 111,9.27 111.03,9.41 111.04,9.54 111.06,9.67 111.07,9.79 111.09,9.9 111.13,10.02 111.19,10.14 111.28,10.26 111.41,10.4
Net-(D66-Pad2) on Bottom: 122.64,4.32 122.93,4.3 123.17,4.26 123.37,4.18 123.54,4.09 123.69,3.98 123.83,3.86 123.98,3.72 124.15,3.59 124.34,3.45 124.58,3.32 125.75,4.44 124.58,5.57 124.34,5.44 124.15,5.3 123.98,5.17 123.83,5.03 123.69,4.91 123.54,4.8 123.37,4.71 123.17,4.63 122.93,4.59 122.64,4.57
Net-(D66-Pad2) on Bottom: 115.51,8.33 115.39,8.47 115.3,8.6 115.24,8.72 115.2,8.83 115.18,8.95 115.16,9.06 115.15,9.19 115.13,9.32 115.1,9.47 115.06,9.63 114.02,9.65 114.04,8.61 114.2,8.56 114.35,8.53 114.48,8.52 114.6,8.5 114.72,8.49 114.83,8.47 114.95,8.43 115.07,8.37 115.2,8.28 115.34,8.15
Net-(D67-Pad2) on Bottom: 146.85,9.49 146.66,9.5 146.51,9.53 146.38,9.57 146.27,9.62 146.17,9.69 146.08,9.76 145.98,9.84 145.88,9.92 145.75,10.01 145.6,10.09 144.86,9.37 145.6,8.65 145.75,8.73 145.88,8.81 145.98,8.89 146.08,8.97 146.17,9.04 146.27,9.11 146.38,9.16 146.51,9.2 146.66,9.23 146.85,9.24
Net-(D67-Pad2) on Bottom: 154.94,9.85 155.29,10.04 155.59,10.19 155.85,10.31 156.08,10.4 156.3,10.48 156.52,10.54 156.75,10.61 157.01,10.68 157.3,10.77 157.63,10.88 157.66,12.51 156.04,12.48 155.94,12.15 155.88,11.85 155.78,11.33 155.72,11.1 155.64,10.88 155.53,10.67 155.36,10.47 155.13,10.27 154.82,10.07
Net-(D68-Pad2) on Bottom: 192.09,11.87 191.9,11.88 191.75,11.91 191.62,11.95 191.51,12.01 191.42,12.07 191.32,12.14 191.23,12.22 191.12,12.3 191,12.39 190.85,12.47 190.1,11.75 190.85,11.03 191,11.11 191.12,11.19 191.23,11.27 191.32,11.35 191.42,11.42 191.51,11.49 191.62,11.54 191.75,11.59 191.9,11.61 192.09,11.62
Net-(D68-Pad2) on Bottom: 190.5,11.62 190.81,11.61 191.07,11.56 191.29,11.5 191.47,11.42 191.64,11.32 191.8,11.22 191.98,11.12 192.16,11.02 192.39,10.93 192.65,10.85 193.54,12.22 192.09,12.98 191.92,12.81 191.78,12.65 191.54,12.35 191.43,12.21 191.3,12.1 191.15,12 190.98,11.93 190.76,11.89 190.5,11.87
Net-(D69-Pad2) on Bottom: 209.55,11.62 209.86,11.61 210.12,11.56 210.34,11.5 210.52,11.42 210.69,11.32 210.85,11.22 211.03,11.12 211.21,11.02 211.44,10.93 211.7,10.85 212.59,12.22 211.14,12.98 210.97,12.81 210.83,12.65 210.59,12.35 210.48,12.21 210.35,12.1 210.2,12 210.03,11.93 209.81,11.89 209.55,11.87
Net-(D69-Pad2) on Bottom: 211.14,11.87 210.95,11.88 210.8,11.91 210.67,11.95 210.56,12.01 210.47,12.07 210.37,12.14 210.28,12.22 210.17,12.3 210.05,12.39 209.9,12.47 209.15,11.75 209.9,11.03 210.05,11.11 210.17,11.19 210.28,11.27 210.37,11.35 210.47,11.42 210.56,11.49 210.67,11.54 210.8,11.59 210.95,11.61 211.14,11.62
Net-(D70-Pad2) on Bottom: 230.19,11.87 230,11.88 229.85,11.91 229.72,11.95 229.61,12.01 229.52,12.07 229.42,12.14 229.33,12.22 229.22,12.3 229.1,12.39 228.95,12.47 228.2,11.75 228.95,11.03 229.1,11.11 229.22,11.19 229.33,11.27 229.42,11.35 229.52,11.42 229.61,11.49 229.72,11.54 229.85,11.59 230,11.61 230.19,11.62
Net-(D70-Pad2) on Bottom: 228.6,11.62 228.91,11.61 229.17,11.56 229.39,11.5 229.57,11.42 229.74,11.32 229.9,11.22 230.08,11.12 230.26,11.02 230.49,10.93 230.75,10.85 231.64,12.22 230.19,12.98 230.02,12.81 229.88,12.65 229.64,12.35 229.53,12.21 229.4,12.1 229.25,12 229.08,11.93 228.86,11.89 228.6,11.87
Net-(D71-Pad2) on Bottom: 248.54,10.08 248.78,10.29 248.99,10.44 249.19,10.54 249.38,10.61 249.57,10.65 249.76,10.68 249.96,10.71 250.18,10.76 250.41,10.84 250.67,10.96 250.46,12.57 248.86,12.3 248.83,12.04 248.81,11.81 248.82,11.6 248.83,11.4 248.83,11.21 248.81,11.04 248.77,10.86 248.69,10.67 248.56,10.47 248.37,10.26
Net-(D71-Pad2) on Bottom: 248.69,10.58 248.55,10.45 248.42,10.36 248.3,10.3 248.18,10.27 248.07,10.24 247.95,10.23 247.83,10.22 247.7,10.2 247.55,10.17 247.39,10.12 247.37,9.08 248.41,9.1 248.45,9.27 248.48,9.41 248.5,9.54 248.51,9.67 248.53,9.79 248.55,9.9 248.59,10.02 248.65,10.14 248.74,10.26 248.86,10.4
Net-(D72-Pad2) on Bottom: 268.29,11.87 268.1,11.88 267.95,11.91 267.82,11.95 267.71,12.01 267.62,12.07 267.52,12.14 267.43,12.22 267.32,12.3 267.2,12.39 267.05,12.47 266.3,11.75 267.05,11.03 267.2,11.11 267.32,11.19 267.43,11.27 267.52,11.35 267.62,11.42 267.71,11.49 267.82,11.54 267.95,11.59 268.1,11.61 268.29,11.62
Net-(D72-Pad2) on Bottom: 266.7,11.62 267.01,11.61 267.27,11.56 267.49,11.5 267.67,11.42 267.84,11.32 268,11.22 268.18,11.12 268.36,11.02 268.59,10.93 268.85,10.85 269.74,12.22 268.29,12.98 268.12,12.81 267.98,12.65 267.74,12.35 267.63,12.21 267.5,12.1 267.35,12 267.18,11.93 266.96,11.89 266.7,11.87
Net-(D73-Pad2) on Bottom: 285.75,11.62 286.06,11.61 286.32,11.56 286.54,11.5 286.72,11.42 286.89,11.32 287.05,11.22 287.23,11.12 287.41,11.02 287.64,10.93 287.9,10.85 288.79,12.22 287.34,12.98 287.17,12.81 287.03,12.65 286.79,12.35 286.68,12.21 286.55,12.1 286.4,12 286.23,11.93 286.01,11.89 285.75,11.87
Net-(D73-Pad2) on Bottom: 287.34,11.87 287.15,11.88 287,11.91 286.87,11.95 286.76,12.01 286.67,12.07 286.57,12.14 286.48,12.22 286.37,12.3 286.25,12.39 286.1,12.47 285.35,11.75 286.1,11.03 286.25,11.11 286.37,11.19 286.48,11.27 286.57,11.35 286.67,11.42 286.76,11.49 286.87,11.54 287,11.59 287.15,11.61 287.34,11.62
Net-(D74-Pad2) on Bottom: 304.8,11.62 305.11,11.61 305.37,11.56 305.59,11.5 305.77,11.42 305.94,11.32 306.1,11.22 306.28,11.12 306.46,11.02 306.69,10.93 306.95,10.85 307.84,12.22 306.39,12.98 306.22,12.81 306.08,12.65 305.84,12.35 305.73,12.21 305.6,12.1 305.45,12 305.28,11.93 305.06,11.89 304.8,11.87
Net-(D74-Pad2) on Bottom: 306.39,11.87 306.2,11.88 306.05,11.91 305.92,11.95 305.81,12.01 305.72,12.07 305.62,12.14 305.53,12.22 305.42,12.3 305.3,12.39 305.15,12.47 304.4,11.75 305.15,11.03 305.3,11.11 305.42,11.19 305.53,11.27 305.62,11.35 305.72,11.42 305.81,11.49 305.92,11.54 306.05,11.59 306.2,11.61 306.39,11.62

Small or netless copper shapes (teardrops, artwork), in the pictures only: 15 on Top, 27 on Bottom

## Text on the board
B.Mask: Designed by Mingze Jin
F.Mask: Standard | 1.25u | 6.25u | Designed by Mingze Jin
